# Altium PCB DIOT_temperature_logger.PcbDoc (part 2 of 8)
Units mm, origin at the board's own origin, x right, y up, seen from the top; angles counter-clockwise.
Board outline 300.88 x 109 mm, 4 copper layers (TOP, MID1, MID2, BOT), stack 1.564 mm thick; 654 components, 622 nets, 3422 pads, 1095 vias.
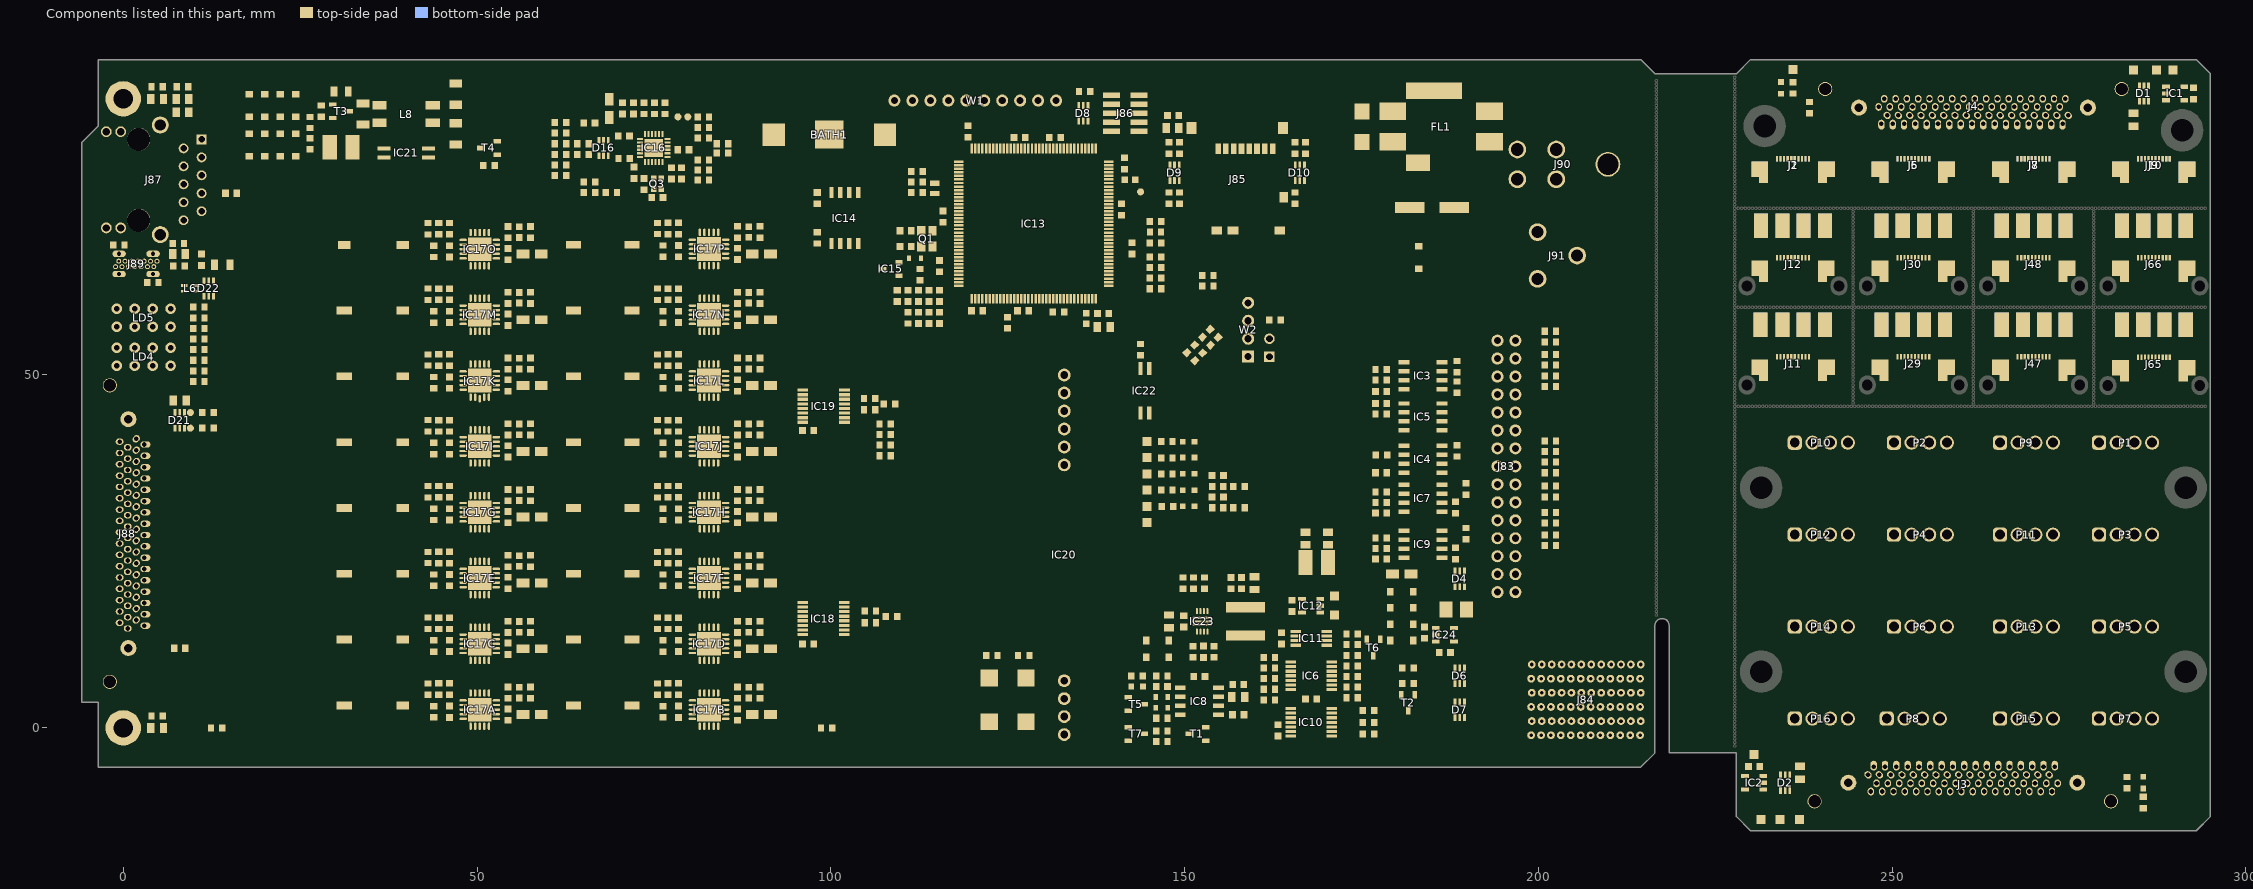
[diagram p4: the components of this part, seen from the top]

## Components (designator, comment, footprint, x,y, rotation, side; value= is the part's Value field where it differs from the comment) (continued)
L4D "220R@100MHz" INDC1608X95N 89.98,14.275 r90 top (schematic designator L4)
L4E "220R@100MHz" INDC1608X95N 57.58,23.575 r90 top (schematic designator L4)
L4F "220R@100MHz" INDC1608X95N 89.98,23.575 r90 top (schematic designator L4)
L4G "220R@100MHz" INDC1608X95N 57.58,32.875 r90 top (schematic designator L4)
L4H "220R@100MHz" INDC1608X95N 89.98,32.875 r90 top (schematic designator L4)
L4I "220R@100MHz" INDC1608X95N 57.58,42.175 r90 top (schematic designator L4)
L4J "220R@100MHz" INDC1608X95N 89.98,42.175 r90 top (schematic designator L4)
L4K "220R@100MHz" INDC1608X95N 57.58,51.475 r90 top (schematic designator L4)
L4L "220R@100MHz" INDC1608X95N 89.98,51.475 r90 top (schematic designator L4)
L4M "220R@100MHz" INDC1608X95N 57.58,60.775 r90 top (schematic designator L4)
L4N "220R@100MHz" INDC1608X95N 89.98,60.775 r90 top (schematic designator L4)
L4O "220R@100MHz" INDC1608X95N 57.58,70.05 r90 top (schematic designator L4)
L4P "220R@100MHz" INDC1608X95N 89.98,70.075 r90 top (schematic designator L4)
L5 "220R@100MHz" INDC1608X95N 7.88,65.25 r180 top
L6 "90R@100MHz" IND_MURATA_DLW21S 9.48,62.1 r0 top
L7 "10uH" IND_MURATA-PS_8400 30.78,82.05 r0 top
L8 "2x1mH" IND_WURTH_WE-SL2 39.98,86.75 r0 top
L9 "10uH" IND_MURATA-PS_8400 168.68,23.35 r0 top
L10 "4.7µH" WE-XHMA_6030 158.58,15.05 r180 top
LD1 "Green" LED_KINGBRIGHT_KPH-1608CGCK 234.28,90.45 r270 top
LD2 "Green" LED_KINGBRIGHT_KPH-1608CGCK 285.48,-7.75 r270 top
LD3 "Red" LED_KINGBRIGHT_KPH-1608SURCK 143.28,5.85 r180 top
LD4 "Green/Green/HeRed/HeRed" LED_BIVAR_H485CHHGGDL 2.88,52.45 r0 top
LD5 "Green/Green/HeRed/HeRed" LED_BIVAR_H485CHHGGDL 2.88,57.95 r0 top
LD6 "Green" LED_KINGBRIGHT_KPH-1608CGCK 150.58,40.45 r180 top
LD7 "Green" LED_KINGBRIGHT_KPH-1608CGCK 150.58,31.3 r180 top
LD8 "Green" LED_KINGBRIGHT_KPH-1608CGCK 150.58,38.2 r180 top
LD9 "Green" LED_KINGBRIGHT_KPH-1608CGCK 150.58,35.9 r180 top
LD10 "Green" LED_KINGBRIGHT_KPH-1608CGCK 150.58,33.6 r180 top
P1 "691382000004" 691382000004 282.98,40.45 r0 top
P2 "691382000004" 691382000004 253.98,40.45 r0 top
P3 "691382000004" 691382000004 282.98,27.45 r0 top locked
P4 "691382000004" 691382000004 253.98,27.45 r0 top locked
P5 "691382000004" 691382000004 282.98,14.45 r0 top locked
P6 "691382000004" 691382000004 253.98,14.45 r0 top locked
P7 "691382000004" 691382000004 282.98,1.45 r0 top locked
P8 "691382000004" 691382000004 252.98,1.45 r0 top locked
P9 "691382000004" 691382000004 268.98,40.45 r0 top
P10 "691382000004" 691382000004 239.98,40.45 r0 top
P11 "691382000004" 691382000004 268.98,27.45 r0 top locked
P12 "691382000004" 691382000004 239.98,27.45 r0 top locked
P13 "691382000004" 691382000004 268.98,14.45 r0 top locked
P14 "691382000004" 691382000004 239.98,14.45 r0 top locked
P15 "691382000004" 691382000004 268.98,1.45 r0 top locked
P16 "691382000004" 691382000004 239.98,1.45 r0 top locked
Q1 "8MHz" WE-XTAL_CFPX-180 113.58,69.15 r270 top
Q2 "32.768kHz" XTAL_ABRACON_ABS06 114.68,76.25 r90 top
Q3 "25MHz" XTAL_TXC_8Y 75.5,76.9 r0 top
R1 "1k" RESC1608X55N 235.98,90.45 r90 top
R2 "0" RESC1608X55N 283.155,-7.75 r90 top
R3 "0" RESC1608X55N 238.305,87.65 r270 top
R4 "1k" RESC1608X55N 285.48,-10.55 r270 top
R5 "0" RESC1608X55N 201.68,56.05 r180 top
R6 "0" RESC1608X55N 201.68,54.55 r180 top
R7 "100" RESC1608X55N 188.48,48.15 r90 top
R8 "0" RESC1608X55N 201.68,52.75 r180 top
R9 "100" RESC1608X55N 177.78,49.15 r0 top
R10 "0" RESC1608X55N 201.68,51.25 r180 top
R11 "100" RESC1608X55N 188.48,51.05 r90 top
R12 "0" RESC1608X55N 201.68,49.75 r180 top
R13 "100" RESC1608X55N 177.78,50.65 r0 top
R14 "0" RESC1608X55N 201.68,48.25 r180 top
R15 "0" RESC1608X55N 201.68,40.55 r180 top
R16 "0" RESC1608X55N 201.68,39.05 r180 top
R17 "0" RESC1608X55N 201.68,37.55 r180 top
R18 "0" RESC1608X55N 201.68,36.05 r180 top
R19 "0" RESC1608X55N 201.68,34.15 r180 top
R20 "0" RESC1608X55N 201.68,32.65 r180 top
R21 "100" RESC1608X55N 188.48,39.15 r90 top
R22 "100" RESC1608X55N 177.815,38.585 r0 top
R23 "0" RESC1608X55N 201.68,30.45 r180 top
R24 "0" RESC1608X55N 201.68,28.95 r180 top
R25 "0" RESC1608X55N 201.68,27.25 r180 top
R26 "0" RESC1608X55N 201.68,25.75 r180 top
R27 "100" RESC1608X55N 177.78,44.35 r0 top
R28 "10k" RESC1608X55N 161.98,8.45 r180 top
R29 "100" RESC1608X55N 188.28,31.15 r90 top
R30 "10k" RESC1608X55N 161.98,3.95 r0 top
R31 "100" RESC1608X55N 177.78,31.85 r0 top
R32 "0" RESC1608X55N 146.78,1.35 r0 top
R33 "0" RESC1608X55N 146.78,-1.95 r180 top
R34 "100" RESC1608X55N 189.78,33.75 r90 top
R35 "2k7" RESC1608X55N 157.58,6.15 r180 top
R36 "100" RESC1608X55N 177.78,33.35 r0 top
R37 "10k" RESC1608X55N 173.68,5.75 r0 top
R38 "10k" RESC1608X55N 173.68,4.25 r0 top
R39 "10k" RESC1608X55N 146.78,7.35 r180 top
R40 "10k" RESC1608X55N 161.98,5.45 r0 top
R41 "100" RESC1608X55N 188.28,24.65 r90 top
R42 "100" RESC1608X55N 177.78,25.35 r0 top
R43 "2k7" RESC1608X55N 161.98,9.95 r0 top
R44 "100" RESC1608X55N 189.78,27.45 r90 top
R45 "100" RESC1608X55N 177.78,26.85 r0 top
R46 "10k" RESC1608X55N 173.68,8.75 r180 top
R47 "33" RESC1608X55N 173.68,7.25 r180 top
R48 "33" RESC1608X55N 161.98,6.95 r0 top
R49 "33" RESC1608X55N 181.58,8.45 r180 top
R50 "100" RESC1608X55N 175.98,2.45 r180 top
R51 "100" RESC1608X55N 175.98,0.75 r180 top
R52 "33" RESC1608X55N 175.98,-0.85 r180 top
R53 "33" RESC1608X55N 181.58,6.25 r180 top
R54 "10k" RESC1608X55N 173.68,10.25 r0 top
R55 "442" RESC1608X55N 143.28,7.35 r0 top
R56 "10k" RESC1608X55N 162.78,57.65 r180 top
R57 "10k" RESC1608X55N 157.68,31.1 r0 top
R58 "2k7" RESC1608X55N 154.68,31.1 r0 top
R59 "2k7" RESC1608X55N 145.88,62.05 r0 top
R60 "2k7" RESC1608X55N 145.88,63.55 r0 top
R61 "2k7" RESC1608X55N 145.88,65.05 r0 top
R62 "2k7" RESC1608X55N 145.88,66.55 r0 top
R63 "2k7" RESC1608X55N 157.68,34.1 r0 top
R64 "10k" RESC1608X55N 124.98,57.25 r270 top
R65 "10k" RESC1608X55N 154.68,34.1 r0 top
R66 "10k" RESC1608X55N 149.28,81.95 r90 top
R67 "10k" RESC1608X55N 147.78,81.95 r90 top
R68 "10k" RESC1608X55N 147.78,74.85 r270 top
R69 "10k" RESC1608X55N 165.58,74.85 r270 top
R70 "10k" RESC1608X55N 167.08,81.95 r90 top
R71 "10k" RESC1608X55N 165.58,81.95 r90 top
R72 "10k" RESC1608X55N 149.28,74.85 r270 top
R73 "10M" RESC1608X55N 99.4,-0.05 r0 top
R74 "10M" RESC1608X55N 13.2,-0.05 r180 top
R76 "10k" RESC1608X55N 98.08,69.25 r90 top
R77 "10k" RESC1608X55N 135.88,89.95 r180 top
R78 "1k" RESC1608X55N 10.68,48.95 r180 top
R79 "10k" RESC1608X55N 11.98,42.35 r180 top
R80 "10k" RESC1608X55N 11.98,44.55 r180 top
R81 "1k" RESC1608X55N 10.68,50.45 r180 top
R82 "1k" RESC1608X55N 10.68,51.95 r180 top
R83 "1k" RESC1608X55N 10.68,53.45 r180 top
R84 "1k" RESC1608X55N 10.68,54.95 r180 top
R85 "1k" RESC1608X55N 10.68,56.45 r180 top
R86 "33" RESC1608X55N 110.88,57.95 r270 top
R87 "1k" RESC1608X55N 10.68,57.95 r180 top
R88 "1k" RESC1608X55N 10.68,59.45 r180 top
R89 "10k" RESC1608X55N 112.58,64.05 r270 top
R90 "100" RESC1608X55N 153.28,62.45 r0 top
R91 "100" RESC1608X55N 153.28,63.95 r0 top
R92 "10k" RESC1608X55N 81.98,84.85 r0 top
R93 "10k" RESC1608X55N 81.98,77.425 r0 top
R94 "10k" RESC1608X55N 84.68,81.25 r0 top
R95 "442" RESC1608X55N 65.88,77.15 r0 top
R96 "33" RESC1608X55N 61.78,82.55 r180 top
R97 "33" RESC1608X55N 61.78,84.05 r180 top
R98 "33" RESC1608X55N 81.98,80.25 r180 top
R99 "0" RESC1608X55N 8.38,90.6 r180 top
R100 "33" RESC1608X55N 81.98,78.85 r180 top
R101 "33" RESC1608X55N 61.78,79.55 r180 top
R102 "10k" RESC1608X55N 84.68,82.55 r180 top
R103 "33" RESC1608X55N 61.78,81.05 r180 top
R104 "12k1" RESC1608X55N 70.78,80.45 r180 top
R105 "33" RESC1608X55N 81.98,83.35 r180 top
R106 "10k" RESC1608X55N 65.88,75.65 r0 top
R107 "1k5" RESC1608X55N 81.98,86.35 r180 top
R108 "10k" RESC1608X55N 75.08,87.55 r270 top
R109 "33" RESC1608X55N 76.58,87.55 r270 top
R110 "10k" RESC1608X55N 73.58,87.55 r270 top
R111 "442" RESC1608X55N 68.98,75.65 r0 top
R112 "49k9" RESC1608X55N 64.98,81.05 r0 top
R113 "49k9" RESC1608X55N 61.78,78.05 r180 top
R114 "49k9" RESC1608X55N 64.98,82.55 r0 top
R115 "49k9" RESC1608X55N 61.78,85.55 r180 top
R116A "442" RESC1608X55N 44.58,5.475 r270 top (schematic designator R116)
R116B "442" RESC1608X55N 76.98,5.475 r270 top (schematic designator R116)
R116C "442" RESC1608X55N 44.58,14.775 r270 top (schematic designator R116)
R116D "442" RESC1608X55N 76.98,14.775 r270 top (schematic designator R116)
R116E "442" RESC1608X55N 44.58,24.075 r270 top (schematic designator R116)
R116F "442" RESC1608X55N 76.98,24.075 r270 top (schematic designator R116)
R116G "442" RESC1608X55N 44.58,33.375 r270 top (schematic designator R116)
R116H "442" RESC1608X55N 76.98,33.375 r270 top (schematic designator R116)
R116I "442" RESC1608X55N 44.58,42.675 r270 top (schematic designator R116)
R116J "442" RESC1608X55N 76.98,42.675 r270 top (schematic designator R116)
R116K "442" RESC1608X55N 44.58,51.975 r270 top (schematic designator R116)
R116L "442" RESC1608X55N 76.98,51.975 r270 top (schematic designator R116)
R116M "442" RESC1608X55N 44.58,61.275 r270 top (schematic designator R116)
R116N "442" RESC1608X55N 76.98,61.275 r270 top (schematic designator R116)
R116O "442" RESC1608X55N 44.58,70.55 r270 top (schematic designator R116)
R116P "442" RESC1608X55N 76.98,70.575 r270 top (schematic designator R116)
R117A "22k" RESC1608X64N 43.08,5.475 r270 top (schematic designator R117)
R117B "22k" RESC1608X64N 75.48,5.475 r270 top (schematic designator R117)
R117C "22k" RESC1608X64N 43.08,14.775 r270 top (schematic designator R117)
R117D "22k" RESC1608X64N 75.48,14.775 r270 top (schematic designator R117)
R117E "22k" RESC1608X64N 43.08,24.075 r270 top (schematic designator R117)
R117F "22k" RESC1608X64N 75.48,24.075 r270 top (schematic designator R117)
R117G "22k" RESC1608X64N 43.08,33.375 r270 top (schematic designator R117)
R117H "22k" RESC1608X64N 75.48,33.375 r270 top (schematic designator R117)
R117I "22k" RESC1608X64N 43.08,42.675 r270 top (schematic designator R117)
R117J "22k" RESC1608X64N 75.48,42.675 r270 top (schematic designator R117)
R117K "22k" RESC1608X64N 43.08,51.975 r270 top (schematic designator R117)
R117L "22k" RESC1608X64N 75.48,51.975 r270 top (schematic designator R117)
R117M "22k" RESC1608X64N 43.08,61.275 r270 top (schematic designator R117)
R117N "22k" RESC1608X64N 75.48,61.275 r270 top (schematic designator R117)
R117O "22k" RESC1608X64N 43.08,70.55 r270 top (schematic designator R117)
R117P "22k" RESC1608X64N 75.48,70.575 r270 top (schematic designator R117)
R118A "3k92" RESC1608X55N 46.08,5.475 r270 top (schematic designator R118)
R118B "3k92" RESC1608X55N 78.48,5.475 r270 top (schematic designator R118)
R118C "3k92" RESC1608X55N 46.08,14.775 r270 top (schematic designator R118)
R118D "3k92" RESC1608X55N 78.48,14.775 r270 top (schematic designator R118)
R118E "3k92" RESC1608X55N 46.08,24.075 r270 top (schematic designator R118)
R118F "3k92" RESC1608X55N 78.48,24.075 r270 top (schematic designator R118)
R118G "3k92" RESC1608X55N 46.08,33.375 r270 top (schematic designator R118)
R118H "3k92" RESC1608X55N 78.48,33.375 r270 top (schematic designator R118)
R118I "3k92" RESC1608X55N 46.08,42.675 r270 top (schematic designator R118)
R118J "3k92" RESC1608X55N 78.48,42.675 r270 top (schematic designator R118)
R118K "3k92" RESC1608X55N 46.08,51.975 r270 top (schematic designator R118)
R118L "3k92" RESC1608X55N 78.48,51.975 r270 top (schematic designator R118)
R118M "3k92" RESC1608X55N 46.08,61.275 r270 top (schematic designator R118)
R118N "3k92" RESC1608X55N 78.48,61.275 r270 top (schematic designator R118)
R118O "3k92" RESC1608X55N 46.08,70.55 r270 top (schematic designator R118)
R118P "3k92" RESC1608X55N 78.48,70.575 r270 top (schematic designator R118)
R119A "10M" RESC1608X55N 43.88,2.275 r270 top (schematic designator R119)
R119B "10M" RESC1608X55N 76.28,2.275 r270 top (schematic designator R119)
R119C "10M" RESC1608X55N 43.88,11.575 r270 top (schematic designator R119)
R119D "10M" RESC1608X55N 76.28,11.575 r270 top (schematic designator R119)
R119E "10M" RESC1608X55N 43.88,20.875 r270 top (schematic designator R119)
R119F "10M" RESC1608X55N 76.28,20.875 r270 top (schematic designator R119)
R119G "10M" RESC1608X55N 43.88,30.175 r270 top (schematic designator R119)
R119H "10M" RESC1608X55N 76.28,30.175 r270 top (schematic designator R119)
R119I "10M" RESC1608X55N 43.88,39.475 r270 top (schematic designator R119)
R119J "10M" RESC1608X55N 76.28,39.475 r270 top (schematic designator R119)
R119K "10M" RESC1608X55N 43.88,48.775 r270 top (schematic designator R119)
R119L "10M" RESC1608X55N 76.28,48.775 r270 top (schematic designator R119)
R119M "10M" RESC1608X55N 43.88,58.075 r270 top (schematic designator R119)
R119N "10M" RESC1608X55N 76.28,58.075 r270 top (schematic designator R119)
R119O "10M" RESC1608X55N 43.88,67.35 r270 top (schematic designator R119)
R119P "10M" RESC1608X55N 76.28,67.375 r270 top (schematic designator R119)
R120 "0" RESC1608X55N 4.78,90.6 r180 top
R121 "0" RESC1608X55N 4.78,1.65 r180 top
R122 "0" RESC1608X55N 7.98,11.25 r0 top
R123 "0" RESC1608X55N 105.58,16.5 r180 top
R124 "0" RESC1608X55N 105.48,46.55 r180 top
R125 "0" RESC1608X55N 108.58,15.75 r180 top
R126 "0" RESC1608X55N 108.28,45.75 r180 top
R127 "0" RESC1608X55N 105.58,14.85 r180 top
R128 "0" RESC1608X55N 105.48,44.95 r180 top
R129 "0" RESC1608X55N 153.08,54.65 r315 top
R130 "0" RESC1608X55N 151.98,53.55 r315 top
R131 "0" RESC1608X55N 150.88,52.45 r135 top
R132 "0" RESC1608X55N 154.18,55.75 r315 top
R133 "0" RESC1608X55N 107.68,39.95 r0 top
R134 "0" RESC1608X55N 107.68,41.45 r0 top
R135 "0" RESC1608X55N 107.68,42.95 r0 top
R136 "0" RESC1608X55N 107.68,38.45 r0 top
R137 "5k1" RESC1608X55N -0.62,68.25 r0 top
R138 "5k1" RESC1608X55N 4.18,62.95 r0 top
R139 "22k" RESC1608X64N 145.88,70.05 r180 top
R140 "0" RESC1608X55N 7.78,68.45 r0 top
R141 "10k" RESC1608X55N 145.88,71.55 r180 top
R142 "10k" RESC1608X55N 145.88,68.55 r0 top
R143 "82k" RESC1608X55N 26.38,82.55 r270 top
R144 "442" RESC1608X55N 51.68,79.45 r0 top
R145 "82k" RESC1608X55N 122.755,10.225 r180 top
R146 "22k" RESC1608X64N 127.255,10.225 r180 top
R147 "10" RESC2012X60N 30.78,89.95 r0 top
R148 "10k" RESC1608X55N 143.78,53.45 r90 top
R149 "22k" RESC1608X64N 26.38,85.55 r270 top
R150 "82k" RESC1608X55N 27.98,87.15 r90 top
R151 "10k" RESC1608X55N 151.18,10.75 r270 top
R152 "10k" RESC1608X55N 149.78,20.45 r90 top
R153 "38k3" RESC1608X55N 152.78,20.45 r90 top
R154 "49k9" RESC1608X55N 154.18,10.75 r90 top
R155 "12k1" RESC1608X55N 151.28,20.45 r90 top
R156 "12k1" RESC1608X55N 147.48,40.45 r0 top
R157 "12k1" RESC1608X55N 147.58,31.3 r0 top
R158 "12k1" RESC1608X55N 147.48,38.15 r0 top
R159 "1k" RESC1608X55N 147.48,35.9 r180 top
R160 "1k" RESC1608X55N 147.48,33.6 r180 top
R165 "10k" RESC1608X55N 146.78,-0.45 r180 top
R166 "10k" RESC1608X55N 173.68,11.75 r0 top
R167 "0" RESC1608X55N 173.68,13.25 r0 top
ST1 "SCHROFF_PANEL_3U_4HP-Thermostat" "SCHROFF_PANEL_3HP_4U - Thermostat" 0,0 r0 top
SW1A "Switch" SW_OMRON_A6SN-1101#1 35.355,3.175 r0 top (schematic designator SW1)
SW1B "Switch" SW_OMRON_A6SN-1101#2 67.755,3.175 r0 top (schematic designator SW1)
SW1C "Switch" SW_OMRON_A6SN-1101#1 35.355,12.475 r0 top (schematic designator SW1)
SW1D "Switch" SW_OMRON_A6SN-1101#2 67.755,12.475 r0 top (schematic designator SW1)
SW1E "Switch" SW_OMRON_A6SN-1101#1 35.355,21.775 r0 top (schematic designator SW1)
SW1F "Switch" SW_OMRON_A6SN-1101#2 67.755,21.775 r0 top (schematic designator SW1)
SW1G "Switch" SW_OMRON_A6SN-1101#1 35.355,31.075 r0 top (schematic designator SW1)
SW1H "Switch" SW_OMRON_A6SN-1101#2 67.755,31.075 r0 top (schematic designator SW1)
SW1I "Switch" SW_OMRON_A6SN-1101#1 35.355,40.375 r0 top (schematic designator SW1)
SW1J "Switch" SW_OMRON_A6SN-1101#2 67.755,40.375 r0 top (schematic designator SW1)
SW1K "Switch" SW_OMRON_A6SN-1101#1 35.355,49.675 r0 top (schematic designator SW1)
SW1L "Switch" SW_OMRON_A6SN-1101#2 67.755,49.675 r0 top (schematic designator SW1)
SW1M "Switch" SW_OMRON_A6SN-1101#1 35.355,58.975 r0 top (schematic designator SW1)
SW1N "Switch" SW_OMRON_A6SN-1101#2 67.755,58.975 r0 top (schematic designator SW1)
SW1O "Switch" SW_OMRON_A6SN-1101#3 35.355,68.25 r0 top (schematic designator SW1)
SW1P "Switch" SW_OMRON_A6SN-1101#2 67.755,68.275 r0 top (schematic designator SW1)
T1 "BSS138LT1G" SOT95P240X110-3N 151.805,-0.85 r180 top
T2 "BSS138LT1G" SOT95P240X110-3N 181.58,3.55 r270 top
T3 "FDN86246" SOT95P237X112-3N 30.78,87.15 r0 top
T4 "BSS138LT1G" SOT95P240X110-3N 51.68,81.95 r180 top
T5 "BSS138LT1G" SOT95P240X110-3N 143.18,3.35 r0 top
T6 "BSS138LT1G" SOT95P240X110-3N 176.68,11.35 r270 top
T7 "BSS138LT1G" SOT95P240X110-3N 143.18,-0.85 r0 top
TP1 "Test Point" TPS127 289.68,92.95 r180 top net-tie
TP2 "Test Point" TPS127 284.08,92.95 r180 top net-tie
TP3 "Test Point" TPS127 235.98,93.05 r180 top net-tie
TP4 "Test Point" TPS127 287.386,92.95 r0 top net-tie
TP5 "Test Point" TPS127 231.48,-12.95 r0 top net-tie
TP6 "Test Point" TPS127 236.88,-12.95 r0 top net-tie
TP7 "Test Point" TPS127 234.174,-12.95 r0 top net-tie
TP8 "Test Point" TPS127 230.48,-3.75 r0 top net-tie
TP9 "Test Point" TPS127 171.18,18.65 r90 top
TP10 "Test Point" TPS127 171.18,15.95 r90 top
TP11 "Test Point" TPS127 144.68,40.45 r0 top
TP12 "Test Point" TPS127 144.68,31.3 r0 top
TP13 "Test Point" TPS127 144.68,38.2 r270 top
TP14 "Test Point" TPS127 144.68,35.9 r180 top
TP15 "Test Point" TPS127 144.68,33.6 r270 top
TP16 "Test Point" TPS127 144.68,29 r90 top
W1 "Header 10" SAMTEC_MTLW-110-07-L-S-250 131.84,88.65 r180 top
W2 "Header 4" SAMTEC_HTSW-104-23-L-S 158.98,52.45 r90 top locked

## Footprints (in the part's own frame and the unit in brackets; to place one, negate y for a bottom-side part, rotate by r counter-clockwise, add the part's x,y. Pads: shape width x height; smd on the part's side, far side on the other; paste and mask are expansions set on the pad)
3M_N2530-6002RB [mm] "30 Contacts - Straight .100\" x .100\" Low Profile Four-Wall Header"
  round 1.7 hole 1: 1(-17.78,-1.27) 2(-17.78,1.27) 3(-15.24,-1.27) 4(-15.24,1.27) 5(-12.7,-1.27) 6(-12.7,1.27) 7(-10.16,-1.27) 8(-10.16,1.27) 9(-7.62,-1.27) 10(-7.62,1.27) 11(-5.08,-1.27) 12(-5.08,1.27) 13(-2.54,-1.27) 14(-2.54,1.27) 15(0,-1.27) 16(0,1.27) 17(2.54,-1.27) 18(2.54,1.27) 19(5.08,-1.27) 20(5.08,1.27) 21(7.62,-1.27) 22(7.62,1.27) 23(10.16,-1.27) 24(10.16,1.27) 25(12.7,-1.27) 26(12.7,1.27) 27(15.24,-1.27) 28(15.24,1.27) 29(17.78,-1.27) 30(17.78,1.27)
  silkscreen extent -22.71,-4.85 22.71,4.52, body extent -22.71,-4.11 22.71,4.52, height 9.91
691382000004 [mm] "Vertical PCB Header, pitch 2.5mm, 04p"
  rrect50% 2x2 hole 1.4: 1(-3.75,-0.15)
  round 2 hole 1.4: 2(-1.25,-0.15) 3(1.25,-0.15) 4(3.75,-0.15)
  silkscreen extent -6,-4.05 6,4.05, body extent -6,-4.05 6,4.05, height 10.14
ABRACON_ARJM11C7-114-BA-EW2 [mm] "LAN Transformer, body 21.84x15.88mm"
  round 1.4 hole 0.9: 1(5.715,6.35) 2(4.445,8.89) 3(3.175,6.35) 4(1.905,8.89) 5(0.635,6.35) 6(-0.635,8.89) 7(-1.905,6.35) 8(-3.175,8.89) 9(-4.445,6.35)
  rect 1.4x1.4 hole 0.9: 10(-5.715,8.89)
  round 1.52 hole 1.02: L1(-6.8,-2.55) L2(-6.8,-4.58) L3(6.8,-2.55) L4(6.8,-4.58)
  round 3.25 hole 3.25 unplated: MH1(-5.715,0) MH2(5.715,0)
  round 2.4 hole 1.6: S1(-7.745,3.05) S2(7.745,3.05)
  silkscreen extent -8.04,-10.87 8.04,10.63, body extent -10.33,-10.87 10.33,10.63, height 16.15
AMPHENOL_10052825-101LF [mm] "72 Contacts, 2mm Pitch, 6 Columns, 4 Pairs per Column, 4 Walls, Right Angle Header"
  round 1.1 hole 0.5: A1(-5,-7.65) A2(-3,-7.75) A3(-1,-7.65) A4(1,-7.75) A5(3,-7.65) A6(5,-7.75) B1(-5,-6.25) B2(-3,-6.35) B3(-1,-6.25) B4(1,-6.35) B5(3,-6.25) B6(5,-6.35) C1(-5,-4.85) C2(-3,-4.95) C3(-1,-4.85) C4(1,-4.95) C5(3,-4.85) C6(5,-4.95) D1(-5,-3.45) D2(-3,-3.55) D3(-1,-3.45) D4(1,-3.55) D5(3,-3.45) D6(5,-3.55) E1(-5,-2.05) E2(-3,-2.15) E3(-1,-2.05) E4(1,-2.15) E5(3,-2.05) E6(5,-2.15) F1(-5,-0.65) F2(-3,-0.75) F3(-1,-0.65) F4(1,-0.75) F5(3,-0.65) F6(5,-0.75) G1(-5,0.75) G2(-3,0.65) G3(-1,0.75) G4(1,0.65) G5(3,0.75) G6(5,0.65) H1(-5,2.15) H2(-3,2.05) H3(-1,2.15) H4(1,2.05) H5(3,2.15) H6(5,2.05) I1(-5,3.55) I2(-3,3.45) I3(-1,3.55) I4(1,3.45) I5(3,3.55) I6(5,3.45) J1(-5,4.95) J2(-3,4.85) J3(-1,4.95) J4(1,4.85) J5(3,4.95) J6(5,4.85) K1(-5,6.35) K2(-3,6.25) K3(-1,6.35) K4(1,6.25) K5(3,6.35) K6(5,6.25) L1(-5,7.75) L2(-3,7.65) L3(-1,7.75) L4(1,7.65) L5(3,7.75) L6(5,7.65)
  silkscreen extent -6.95,-9.75 6.95,11.85, body extent -6.95,-21.95 6.95,11.85, height 15.25
BAT_VARTA_CR1220 [mm] "CR1210, 12.5mm Diameter x 2mm  Height Lithium Coin Cells"
  silkscreen extent -6,-6 6,6, body extent -6.25,-6.25 6.25,6.25, height 2
BATH_KEYSTONE_3000 [mm] "SMD Battery Holder for BR1216, CR1216, BR1220, CL1220, CR1220, BR1225 Coin Cells"
  rect 3.175x3.175 smd: 1(-7.873,0) 1(7.873,0)
  rect 4x4 smd paste-2: 2(0,0)
  silkscreen extent -6.6,-6.35 6.6,6.35, body extent -9.46,-6.35 9.46,6.35, height 3.17
C100 [mm] "1mm Diameter SMD Pad"
  round 1 smd paste-1: 1(0,0)
CAPAE830X620N [mm] "Capacitor, Aluminium Electrolytric, 8.3mm L X 8.3mm W X 6.2mm H, IPC Medium Density"
  rect 4.15x1.6 smd: 1(-3.15,0) 2(3.15,0)